# Altium PCB KitKTS.PcbDoc (part 2 of 2)
Units mm, origin at the board's own origin, x right, y up, seen from the top; angles counter-clockwise.
Board outline 448.4 x 281.4 mm, 2 copper layers (Top Layer, Bottom Layer); 437 components, 656 nets, 2888 pads, 4 vias.
Unrouted connection lines stored in the file: 1923.
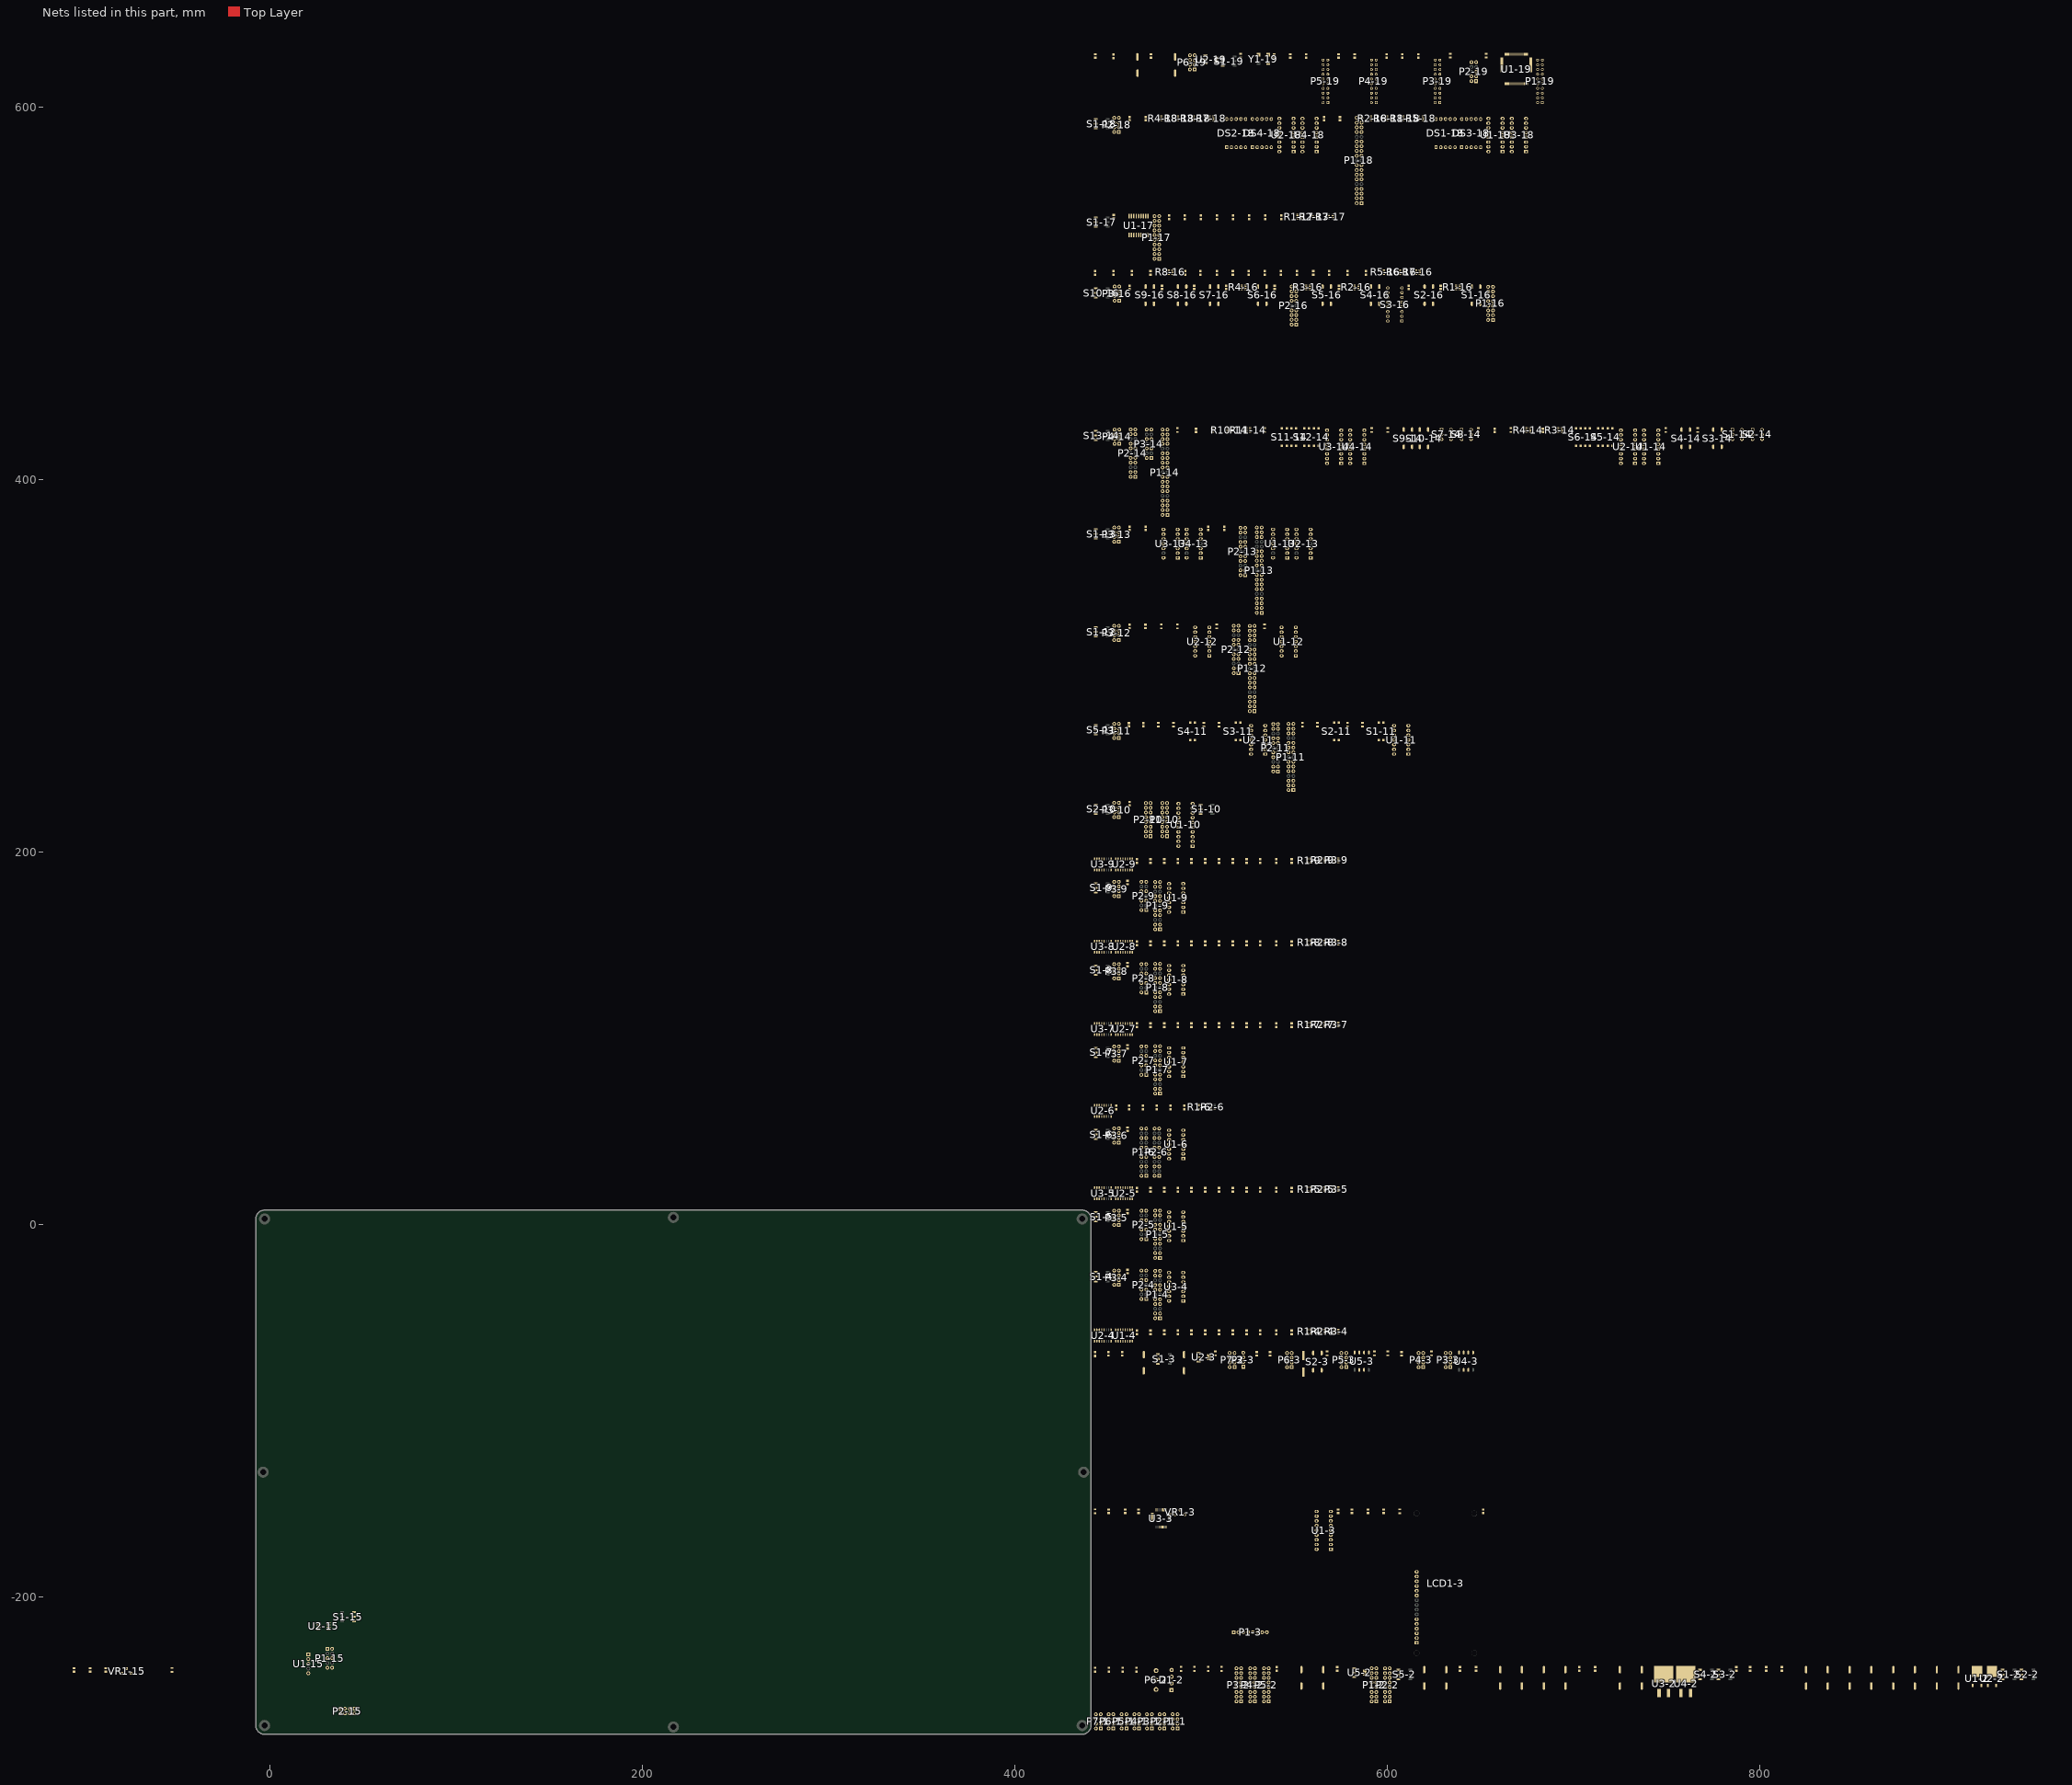
[diagram p2: the nets of this part, all layers, seen from the top]

## Footprints (in the part's own frame and the unit in brackets; to place one, negate y for a bottom-side part, rotate by r counter-clockwise, add the part's x,y. Pads: shape width x height; smd on the part's side, far side on the other; paste and mask are expansions set on the pad) (continued)
XTAL-CSM7 [mm] "XTAL-49S-SMD"
  rect 5x1.2 smd: 1(-4.5,0) 2(4.5,0)
  silkscreen extent -5.9,-2.5 5.9,2.5, body extent -6.4,-2.48 6.4,2.52, height 4.6
XTAL-SMD5070 [mm] "OSC 50MHz 5x7mm"
  rect 2x2 smd: 1(-2.54,-2.2) 2(2.54,-2.2) 3(2.54,2.2) 4(-2.54,2.2)
  silkscreen extent -4.2,-2.5 3.5,2.5, body extent -3.5,-2.5 3.5,2.5, height 1.7

## Part data
C1-2 C2-2 C2-3 C3-2 C4-2 C5-2 C6-2 C7-2 C7-3 C8-2 C10-19 C11-19 C13-2 C14-2 C17-2 C18-2 C19-2 C20-2 C23-2 C24-2 C26-2 C27-2: library part "Cap Pol1", "Polarized Capacitor (Radial)"
  C2-3 C7-3 C10-19 C11-19: LatestRevisionDate=17-Jul-2002, LatestRevisionNote="Re-released for DXP Platform.", PackageReference=RB7.6-15, Published=8-Jun-2000, Publisher="Altium Limited"
C1-3 C4-3 C5-3: library part Cap, "CAP CER 0.1UF 50V Y5V 0805", Capacitance=0.10µF, Manufacturer=Yageo, Manufacturer Part Number=CC0805ZRY5V9BB104, Operating Temperature="-30°C ~ 85°C", Package / Case="0805 (2012 Metric)", Ratings=-, Supplier Part Number 1=311-1361-1-ND, Temperature Coefficient="Y5V (F)", Tolerance="-20%, +80%", Voltage - Rated=50V, Applications="General Purpose", Category=Capacitors, ComponentLink1Description=http://www.yageo.com/documents/recent/UPY-GPHC_Y5V_6.3V-to-50V_6.pdf, ComponentLink1URL=http://www.yageo.com/documents/recent/UPY-GPHC_Y5V_6.3V-to-50V_6.pdf, Features=-, Height - Seated (Max)=-, Lead Spacing=-, Lead Style=-, Mounting Type="Surface Mount, MLCC", Packaging="Cut Tape (CT)", Part Status=Active, Pricing 1="1=0.1, 10=0.033, 25=0.0232, 100=0.0151, 250=0.01232, 500=0.01056, 1000=0.00822 (USD)", RoHS="RoHS Compliant", Size / Dimension="0.079\" L x 0.049\" W (2.00mm x 1.25mm)", Stock 1=348816, Supplier 1=Digi-Key, Thickness (Max)="0.024\" (0.60mm)"
C1-4 C1-5 C1-6 C1-7 C1-8 C1-9 C1-10 C1-11 C1-12 C1-13 C1-14 C1-15 C1-17 C1-18 C1-19 C2-11 C2-12 C2-13 C2-14 C2-15 C2-18 C2-19 C3-13 C3-14 C3-15 C3-18 C3-19 C4-13 C4-14 C4-18 C4-19 C5-19 C6-19 C7-19 C8-19 C9-3 C10-3 C11-3 C13-3 C14-3 C15-3: library part Cap, "Capacitor", LatestRevisionDate=17-Jul-2002, LatestRevisionNote="Re-released for DXP Platform.", PackageReference=RAD-0.3, Published=8-Jun-2000, Publisher="Altium Limited"
  C1-4 C1-5 C1-6 C1-7 C1-8 C1-9 C1-10 C1-11 C1-12 C1-13 C1-14 C1-17 C1-18 C1-19 C2-11 C2-12 C2-13 C2-14 C2-18 C2-19 C3-13 C3-14 C3-18 C3-19 C4-13 C4-14 C4-18 C4-19 C5-19 C6-19 C7-19 C8-19 C9-3 C10-3 C11-3 C13-3 C14-3 C15-3: PackageDescription="Radial Cap, Thru-Hole; 2 Leads; 0.3 in Pin Spacing"
C1-16 C2-16 C3-3 C3-16 C4-16 C5-16 C6-3 C6-16 C7-16 C8-3 C8-16 C9-2 C9-19 C10-2 C11-2 C12-2 C12-3 C12-19 C15-2 C16-2 C21-2 C22-2 C25-2 C28-2: library part Cap, "Capacitor", Manufacturer="Generic Components", Class=Passive, Published=08/06/2000, Publisher="Altium Hobart Technology Centre", SubClass=Capacitor
D1-2: library part Bridge2, "Diode Bridge", LatestRevisionDate=17-Jul-2002, LatestRevisionNote="Re-released for DXP Platform.", PackageReference=D-46_6A, Published=24-Mar-1999
D1-3 D1-19 D2-2 D3-2 D4-2 D5-2: library part LED0, "Typical INFRARED GaAs LED", LatestRevisionDate=08-Jul-2005, LatestRevisionNote="Mech Layer 1 removed.", PackageReference=LED-0, Published=8-Jun-2000, Publisher="Altium Limited"
D1-4 D1-5 D1-6 D1-7 D1-8 D1-9 D1-16 D1-17 D2-4 D2-5 D2-6 D2-7 D2-8 D2-9 D2-16 D2-17 D3-4 D3-5 D3-6 D3-7 D3-8 D3-9 D3-16 D3-17 D4-4 D4-5 D4-6 D4-7 D4-8 D4-9 D4-16 D4-17 D5-4 D5-5 D5-6 D5-7 D5-8 D5-9 D5-16 D5-17 D6-4 D6-5 D6-6 D6-7 D6-8 D6-9 D6-16 D6-17 D7-4 D7-5 D7-7 D7-8 D7-9 D7-16 D7-17 D8-4 D8-5 D8-7 D8-8 D8-9 D8-16 D8-17 D9-4 D9-5 D9-7 D9-8 D9-9 D9-16 D10-4 D10-5 D10-7 D10-8 D10-9 D10-16 D11-4 D11-5 D11-7 D11-8 D11-9 D11-16 D12-4 D12-5 D12-7 D12-8 D12-9 D12-16 D13-16 D14-16 D15-16 D16-16: library part LED2, "Typical RED, GREEN, YELLOW, AMBER GaAs LED", LatestRevisionDate=17-Jul-2002, LatestRevisionNote="Re-released for DXP Platform.", PackageDescription="SM LED; 2 Flat Leads", PackageReference=3.2X1.6X1.1, PackageVersion=Feb-2002, Published=8-Jun-2000, Publisher="Altium Limited"
DS1-18 DS2-18 DS3-18 DS4-18: "14.2 mm General Purpose Blue 7-Segment Display: CA, RH DP, Gray Surface", Colour=Blue, ComponentLink1Description="Manufacturer Link", ComponentLink1URL=http://www.agilent.com/, DatasheetVersion=24-Sep-2002, LatestRevisionDate=17-Dec-2003, LatestRevisionNote="Schematic revised, PCB Footprint replaced.", MinimumIntensity="2020 ucd", Note="IF = 10 mA", PackageDescription="LED, 7-Segment Display, 14.2 mm, RHD; 10 Leads; Row Space 15.24 mm; Pitch 2.54 mm", PackageReference=H, PackageVersion=24-Sep-2002, Published=8-Jun-2000, Publisher="Altium Limited"
LCD1-3: "Liquid Crystal Display"
P1-1 P2-1 P2-15 P2-18 P3-1 P3-3 P3-4 P3-5 P3-6 P3-7 P3-8 P3-9 P3-10 P3-11 P3-12 P3-13 P3-16 P4-1 P4-3 P4-14 P5-1 P5-3 P6-1 P6-3 P6-19 P7-1 P7-3: "Header, 4-Pin, Dual row", LatestRevisionDate=17-Jul-2002, LatestRevisionNote="Re-released for DXP Platform."
  P1-1 P2-1 P3-1 P4-1 P5-1 P6-1 P7-1: Publisher="Altium Limited"
  P2-15 P2-18 P3-3 P3-4 P3-5 P3-6 P3-7 P3-8 P3-9 P3-10 P3-11 P3-12 P3-13 P3-16 P4-3 P4-14 P5-3 P6-3 P6-19 P7-3: Publisher="Power Terminal"
P1-2 P1-10 P1-16 P2-2 P2-10 P3-2 P4-2 P5-2: "Header, 8-Pin, Dual row", LatestRevisionDate=17-Jul-2002, LatestRevisionNote="Re-released for DXP Platform."
P1-3: library part "Header 8", "Header, 8-Pin", LatestRevisionDate=17-Jul-2002, LatestRevisionNote="Re-released for DXP Platform.", Publisher="Altium Limited"
P1-4 P1-5 P1-6 P1-7 P1-8 P1-9 P2-6 P2-11 P2-12 P2-13 P2-14: "Header, 11-Pin, Dual row", LatestRevisionDate=17-Jul-2002, LatestRevisionNote="Re-released for DXP Platform."
P1-11: "Header, 15-Pin, Dual row", LatestRevisionDate=17-Jul-2002, LatestRevisionNote="Re-released for DXP Platform."
P1-12 P1-13 P1-14 P1-18: "Header, 19-Pin, Dual row", LatestRevisionDate=17-Jul-2002, LatestRevisionNote="Re-released for DXP Platform."
P1-15: "Header, 5-Pin, Dual row", LatestRevisionDate=17-Jul-2002, LatestRevisionNote="Re-released for DXP Platform."
P1-17 P1-19 P3-19 P4-19 P5-19: library part "Header 10X2", "Header, 10-Pin, Dual row", LatestRevisionDate=17-Jul-2002, LatestRevisionNote="Re-released for DXP Platform."
P2-3: library part "Header 4", "Header, 4-Pin", LatestRevisionDate=17-Jul-2002, LatestRevisionNote="Re-released for DXP Platform."
P2-4 P2-5 P2-7 P2-8 P2-9: library part "Header 7X2", "Header, 7-Pin, Dual row", LatestRevisionDate=17-Jul-2002, LatestRevisionNote="Re-released for DXP Platform."
P2-16: "Header, 9-Pin, Dual row", LatestRevisionDate=17-Jul-2002, LatestRevisionNote="Re-released for DXP Platform."
P2-19: library part "Header 5X2", "Header, 5-Pin, Dual row", LatestRevisionDate=17-Jul-2002, LatestRevisionNote="Re-released for DXP Platform."
P3-14: "Header, 7-Pin, Dual row", LatestRevisionDate=17-Jul-2002, LatestRevisionNote="Re-released for DXP Platform."
P6-2: library part "Header 3", "Header, 3-Pin", LatestRevisionDate=17-Jul-2002, LatestRevisionNote="Re-released for DXP Platform."
R1-2 R1-11 R1-12 R1-14 R1-15 R1-19 R2-2 R2-3 R2-11 R2-12 R2-14 R2-19 R3-2 R3-3 R3-11 R3-12 R3-19 R4-2 R4-3 R4-11 R4-12 R5-3 R5-11 R5-14 R6-11 R6-14 R7-11 R7-14 R8-11 R8-14 R9-14 R12-14: library part Res1, "Resistor", LatestRevisionDate=17-Jul-2002, LatestRevisionNote="Re-released for DXP Platform.", PackageReference=AXIAL-0.3, Published=8-Jun-2000, Publisher="Altium Limited"
  R1-11 R1-12 R1-14 R2-11 R2-12 R2-14 R3-11 R3-12 R4-11 R4-12 R5-3 R5-11 R5-14 R6-11 R6-14 R7-11 R7-14 R8-11 R8-14 R9-14 R12-14: PackageDescription="Axial Device, Thru-Hole; 2 Leads; 0.3 in Pin Spacing"
R1-3 R6-3 R7-3: "Resistor", LatestRevisionDate=17-Jul-2002, LatestRevisionNote="Re-released for DXP Platform.", PackageReference=AXIAL-0.3, Published=8-Jun-2000, Publisher="Altium Limited"
R1-4 R1-5 R1-6 R1-7 R1-8 R1-9 R2-4 R2-5 R2-6 R2-7 R2-8 R2-9 R3-4 R3-5 R3-7 R3-8 R3-9: library part "Res Array 4", "RES ARRAY 4 RES 330 OHM 1206", Digi-Key Part Number=Y9331TR-ND, Manufacturer="Panasonic Electronic Components", Manufacturer Part Number=EXB-38V331JV, Link=http://www.digikey.com/product-detail/en/EXB-38V331JV/Y9331TR-ND/256525
R1-16 R1-17 R1-18 R2-16 R2-17 R2-18 R3-14 R3-16 R3-17 R3-18 R4-14 R4-16 R4-18 R5-16 R5-18 R6-16 R6-18 R7-16 R7-18 R8-16 R8-18 R10-14 R11-14: library part R-8P4R, "RES ARRAY 4 RES 330 OHM 1206", Digi-Key Part Number=Y9331TR-ND, Manufacturer="Panasonic Electronic Components", Manufacturer Part Number=EXB-38V331JV, Link=http://www.digikey.com/product-detail/en/EXB-38V331JV/Y9331TR-ND/256525
S1-2 S1-3 S1-4 S1-5 S1-6 S1-7 S1-8 S1-9 S1-10 S1-12 S1-13 S1-15 S1-17 S1-18 S1-19 S2-2 S2-10 S3-2 S4-2 S5-2 S5-11 S10-16 S13-14: "SPDT Subminiature Toggle Switch, Right Angle Mounting, Vertical Actuation"
  S1-2 S1-3 S2-2 S3-2 S4-2 S5-2: Link=http://banlinhkien.vn/goods-5937-cong-tac-gat-6-chan-mss22d18-smd.html
  S1-4 S1-5 S1-6 S1-7 S1-8 S1-9 S1-10 S1-12 S1-13 S1-15 S1-17 S1-18 S1-19 S2-10 S5-11 S10-16 S13-14: ComponentLink1Description="Manufacturer Link", ComponentLink1URL=http://www.apem.com, DatasheetVersion=05-Dec-2000, LatestRevisionDate=17-Dec-2003, LatestRevisionNote="Schematic revised, PCB Footprint replaced.", PackageDescription="Switch; 4 Leads", PackageReference=TL36WW15050, Published=24-Mar-1999, Publisher="Altium Limited"
S1-11 S2-11 S3-11 S4-11: "DIP Switch, 2 Position, SPST", LatestRevisionDate=17-Jul-2002, LatestRevisionNote="Re-released for DXP Platform.", PackageReference=DIP-4, Published=24-Mar-1999, Publisher="Altium Limited"
S1-14 S2-14 S7-14 S8-14: "Double-Pole, Double-Throw Switch", LatestRevisionDate=17-Jul-2002, LatestRevisionNote="Re-released for DXP Platform.", PackageReference=DPDT-6, Published=24-Mar-1999, Publisher="Altium Limited"
S1-16 S2-3 S2-16 S3-14 S4-14 S4-16 S5-16 S6-16 S7-16 S8-16 S9-14 S9-16 S10-14: library part SW-PB, "Switch", LatestRevisionDate=17-Jul-2002, LatestRevisionNote="Re-released for DXP Platform.", PackageReference=SPST-2, Published=24-Mar-1999
  S1-16 S2-16 S4-16 S5-16 S6-16 S7-16 S8-16 S9-16: Publisher="Altium Limited"
  S2-3: PackageDescription="Switch; 2 Leads"
S3-16: "DIP Switch, 8 Position, SPST", LatestRevisionDate=17-Jul-2002, LatestRevisionNote="Re-released for DXP Platform.", PackageDescription="DIP Switch; 16 Leads", PackageReference=DIP_SW_8WAY_SMD, Published=24-Mar-1999, Publisher="Altium Limited"
S5-14 S6-14 S11-14 S12-14: "DIP Switch, 4 Position, SPST", Code_IPC=SOIC127P600-8, Code_JEDEC=MS-012-AA, LatestRevisionDate=29-May-2009, LatestRevisionNote="IPC-7351 Footprint Added.", PackageDescription="8-Pin Small Outline Integrated Circuit 1.27 mm Pitch", PackageReference=SO8, PackageVersion=Dec-2002, Published=24-Mar-1999
U1-2 U2-2: library part LM78M05CT, "3-Terminal Positive Voltage Regulators, 3-pin TO-220", Manufacturer="National Semiconductor", PackageTopMarking=NSUZXYTTE#*LM341T-5.0*LM78M05CT, PowerWise=N, ComponentLink1Description="LM78M05 Datasheet", ComponentLink1URL=http://www.national.com/ds/LM/LM78M05.pdf, ComponentLink2Description="LM78M05 Web Page", ComponentLink2URL=http://www.national.com/pf/LM/LM78M05.html, ComponentLink3Description="T03B Package Page", ComponentLink3URL=http://www.national.com/packaging/folders/t03b.html, CompType="LDO IC", DatasheetVersion=Aug-2005, PackageDescription="TO-220, Molded, 3 Lead, Straight", PackageReference=T03B, PackageVersion="revL, Jan-1992", PartNumber=LM78M05CT, PinCount=3, Published=4-Dec-2008, Publisher="Altium Limited", RoHS=N, Supplier 1=Farnell
U1-4 U1-17 U2-4 U2-5 U2-6 U2-7 U2-8 U2-9 U3-5 U3-7 U3-8 U3-9: "High-Voltage, High-Current Darlington Array", ComponentLink1Description="Manufacturer Link", ComponentLink1URL=http://www.allegromicro.com/, Published=13-Oct-2000, Publisher="Altium Limited"
  U1-4 U2-4 U2-5 U2-6 U2-7 U2-8 U2-9 U3-5 U3-7 U3-8 U3-9: Code_JEDEC=MS-001-BB, DatasheetVersion=1998, LatestRevisionDate=06-Jun-2005, LatestRevisionNote="Stylized 3D Model Added.", PackageDescription="DIP; 16 Leads; Row Spacing 7.62 mm; Pitch 2.54 mm", PackageReference=A16, PackageVersion=1998
  U1-17: Code_JEDEC=MS-013-AB, DatasheetVersion=1999, LatestRevisionDate=13-Apr-2006, LatestRevisionNote="IPC-7351 Footprint Added.", PackageDescription="18-Pin Small Outline Integrated Circuit 1.27 mm Pitch", PackageReference=LW18
U1-5: "Quadruple 2-Input Positive-OR Gate", ComponentLink1Description="Manufacturer Link", ComponentLink1URL=http://www.ti.com/, ComponentLink2Description=Datasheet, ComponentLink2URL=http://www-s.ti.com/sc/ds/sn74hc32.pdf, DatasheetVersion=May-1997, LatestRevisionDate=04-Mar-2005, LatestRevisionNote="Stylized 3D Model Added.", PackageDescription="DIP; 14 Leads; Row Spacing 7.62 mm; Pitch 2.54 mm", PackageReference=N014, PackageVersion=Oct-1995, Published=8-Jun-2000, Publisher="Altium Limited"
U1-6: "Hex Inverter", ComponentLink1Description="Manufacturer Link", ComponentLink1URL=http://www.ti.com/, ComponentLink2Description=Datasheet, ComponentLink2URL=http://www-s.ti.com/sc/ds/sn74hc04.pdf, DatasheetVersion=May-1997, LatestRevisionDate=04-Mar-2005, LatestRevisionNote="Stylized 3D Model Added.", PackageDescription="DIP; 14 Leads; Row Spacing 7.62 mm; Pitch 2.54 mm", PackageReference=N014, PackageVersion=Oct-1995, Published=8-Jun-2000, Publisher="Altium Limited"
U1-7: "Quad Exclusive OR Gate, 14-Pin PDIP", ComponentLink1Description="Manufacturer Link", ComponentLink1URL=http://www.fairchildsemi.com/, DatasheetVersion=Jan-1999, IC_Technology=C, LatestRevisionDate=29-May-2009, LatestRevisionNote="Component Body Added.", PackageDescription="DIP, 14-Pin, Row Spacing 7.62 mm, Pitch 2.54 mm", PackageReference=N14A, PackageVersion=2000, Published=17-Jul-2002, Publisher="Altium Limited"
U1-8: "Quadruple 2-Input Positive-NAND Gate", ComponentLink1Description="Manufacturer Link", ComponentLink1URL=http://www.ti.com/, ComponentLink2Description=Datasheet, ComponentLink2URL=http://www-s.ti.com/sc/ds/sn74hc00.pdf, DatasheetVersion=May-1997, LatestRevisionDate=04-Mar-2005, LatestRevisionNote="Stylized 3D Model Added.", PackageDescription="DIP; 14 Leads; Row Spacing 7.62 mm; Pitch 2.54 mm", PackageReference=N014, PackageVersion=Oct-1995, Published=8-Jun-2000, Publisher="Altium Limited"
U1-9: "Quadruple 2-Input Positive-NOR Gate", ComponentLink1Description="Manufacturer Link", ComponentLink1URL=http://www.ti.com/, ComponentLink2Description=Datasheet, ComponentLink2URL=http://www-s.ti.com/sc/ds/sn74hc02.pdf, DatasheetVersion=May-1997, LatestRevisionDate=04-Mar-2005, LatestRevisionNote="Stylized 3D Model Added.", PackageDescription="DIP; 14 Leads; Row Spacing 7.62 mm; Pitch 2.54 mm", PackageReference=N014, PackageVersion=Oct-1995, Published=8-Jun-2000, Publisher="Altium Limited"
U1-10: library part DM74LS245N, "3-State Octal Bus Transceiver", Code_JEDEC=MS-001-AD, ComponentLink1Description="Manufacturer Link", ComponentLink1URL=http://www.fairchildsemi.com/, DatasheetVersion=Mar-1998, LatestRevisionDate=04-Mar-2005, LatestRevisionNote="Stylized 3D Model Added.", PackageDescription="DIP, 20-Pin, Row Spacing 7.62 mm, Pitch 2.54 mm", PackageReference=N20A, PackageVersion=2000, Published=17-Jul-2002, Publisher="Altium Limited"
U1-11 U2-11: "Dual D-Type Flip-Flop", ComponentLink1Description="Manufacturer Link", ComponentLink1URL=http://www.fairchildsemi.com/, DatasheetVersion=Jan-1999, LatestRevisionDate=29-May-2009, LatestRevisionNote="Component Body Added.", PackageDescription="DIP, 14-Pin, Row Spacing 7.62 mm, Pitch 2.54 mm", PackageReference=N14A, PackageVersion=2000, Published=17-Jul-2002, Publisher="Altium Limited"
U1-12 U2-12: "Dual Negative-Edge-Triggered Master-Slave J-K Flip-Flop with Clear and Complementary Output", ComponentLink1Description="Manufacturer Link", ComponentLink1URL=http://www.fairchildsemi.com/, DatasheetVersion=Mar-1998, LatestRevisionDate=29-May-2009, LatestRevisionNote="Component Body Added.", PackageDescription="DIP, 14-Pin, Row Spacing 7.62 mm, Pitch 2.54 mm", PackageReference=N14A, PackageVersion=2000, Published=17-Jul-2002, Publisher="Altium Limited"
U1-13 U2-13 U3-13 U4-13: "Decade and Binary Counter", ComponentLink1Description="Manufacturer Link", ComponentLink1URL=http://www.fairchildsemi.com/, DatasheetVersion=Mar-1998, LatestRevisionDate=29-May-2009, LatestRevisionNote="Component Body Added.", Note="NC pins 4 and 13 are not drawn.", PackageDescription="DIP, 14-Pin, Row Spacing 7.62 mm, Pitch 2.54 mm", PackageReference=N14A, PackageVersion=2000, Published=17-Jul-2002, Publisher="Altium Limited"
U1-14 U2-14 U3-14 U4-14: "Synchronous 4-Bit Up/Down Counter (Dual Clock with Clear)", Code_JEDEC=MS-001-BB, ComponentAvailability=Obsolete, ComponentLink1Description="Manufacturer Link", ComponentLink1URL=http://www.ti.com/, ComponentLink2Description=Datasheet, ComponentLink2URL=http://www-s.ti.com/sc/ds/sn74ls192.pdf, DatasheetVersion=Mar-1988, LatestRevisionDate=04-Mar-2005, LatestRevisionNote="Stylized 3D Model Added.", PackageDescription="DIP; 16 Leads; Row Spacing 7.62 mm; Pitch 2.54 mm", PackageReference=N016D, PackageVersion=Oct-1995, Published=8-Jun-2000, Publisher="Altium Limited"
U1-18 U2-18 U3-18 U4-18: "BCD to 7-Segment Decoder/Driver with Open-Collector Output", ComponentLink1Description="Manufacturer Link", ComponentLink1URL=http://www.fairchildsemi.com/, DatasheetVersion=Mar-1998, LatestRevisionDate=04-Mar-2005, LatestRevisionNote="Stylized 3D Model Added.", PackageDescription="DIP, 16-Pin, Row Spacing 7.62 mm, Pitch 2.54 mm", PackageReference=N16E, PackageVersion=2000, Published=17-Jul-2002, Publisher="Altium Limited"
U1-19: "MAX II 3.3/2.5V CPLD, 80 IOs, 240 Logic Elements, 100-Pin Plastic TQFP, Commercial Temperature, Speed Grade 5, Pb-Free", Supplier Part Number 1=544-1964-ND, Code_JEDEC=MS-026-AED, ComponentLink1Description="Manufacturer Link", ComponentLink1URL=http://www.altera.com/products/devices/cpld/max2/mx2-index.jsp, ComponentLink2Description=Handbook, ComponentLink2URL=http://www.altera.com/literature/hb/max2/max2_mii5v1.pdf, ComponentLink3Description="Packaging Specification", ComponentLink3URL=http://www.altera.com/literature/ds/dspkg.pdf, DatasheetVersion="ver1.8, Jul-2006", LatestRevisionDate=13-Apr-2006, LatestRevisionNote="IPC-7351 Footprint Added.", Note="Each set of VCCIO pins can be connected to 3.3V, 2.5V, 1.8V, or 1.5V.", PackageDescription="100-Pin Plastic Thin Quad Flat Pack (TQFP100) - Wire Bond", PackageReference=TQFP100, PackageVersion="ver15.1, May-2008", Published=4-Mar-2005, Publisher="Altium Limited", Supplier 1=Digi-Key, Supplier 2=Farnell, Supplier 3=Farnell, Supplier Part Number 2=1662268, Supplier Part Number 3=1453503
U2-3 U2-19 U5-2: library part LM1117IDTX-3.3, "800mA Low-Dropout Linear Regulator, 3-pin TO-252", Manufacturer="National Semiconductor", PackageTopMarking=NSUZXYTT*LM1117*IDT-3.3, PowerWise=N, Code_JEDEC=TO-252-AA, ComponentLink1Description="LM1117 Datasheet", ComponentLink1URL=http://www.national.com/ds/LM/LM1117.pdf, ComponentLink2Description="LM1117 Web Page", ComponentLink2URL=http://www.national.com/pf/LM/LM1117.html, ComponentLink3Description="TD03B Package Page", ComponentLink3URL=http://www.national.com/packaging/folders/td03b.html, CompType="LDO IC", DatasheetVersion=Apr-2006, PackageDescription="TO252, Molded, Jedec, 6.8 x 6.10 x 2.30mm Body, 3 Lead, 2.28mm Pitch, Surface Mount", PackageReference=TD03B, PackageVersion="revD, Feb-2009", PartNumber=LM1117IDTX-3.3, PinCount=3, Published=1-Mar-2010, Publisher="Altium Limited"
U2-15: "General-Purpose Single Bipolar Timer", Code_IPC=SOIC127P600-8, Code_JEDEC=MS-012-AA, ComponentLink1Description="Manufacturer Link", ComponentLink1URL=http://www.st.com/, ComponentLink2Description=Datasheet, ComponentLink2URL=http://www.st.com/stonline/products/literature/ds/2182/ne555.pdf, DatasheetVersion=Jul-1998, LatestRevisionDate=13-Apr-2006, LatestRevisionNote="IPC-7351 Footprint Added.", PackageDescription="8-Pin Small Outline Integrated Circuit 1.27 mm Pitch", PackageReference=SO8, PackageVersion=Dec-2002, Published=24-Aug-2001, Publisher="Altium Limited"
U3-2 U4-2: library part LM79M12CT, "3-Terminal Negative Regulators, 3-pin TO-220", Manufacturer="National Semiconductor", PackageTopMarking=NSUZXYTTE#*LM79M*12CT, PowerWise=N, ComponentLink1Description="LM79M12 Datasheet", ComponentLink1URL=http://www.national.com/ds/LM/LM79M12.pdf, ComponentLink2Description="LM79M12 Web Page", ComponentLink2URL=http://www.national.com/pf/LM/LM79M12.html, ComponentLink3Description="T03B Package Page", ComponentLink3URL=http://www.national.com/packaging/folders/t03b.html, CompType="LDO IC", DatasheetVersion=Sep-2001, PackageDescription="TO-220, Molded, 3 Lead, Straight", PackageReference=T03B, PackageVersion="revL, Jan-1992", PartNumber=LM79M12CT, PinCount=3, Published=4-Dec-2008, Publisher="Altium Limited", RoHS=N, Supplier 1=Farnell
U3-3: "STM32 ARM-based 32-bit MCU with 64 Kbytes Flash, 48-pin LQFP, Industrial Temperature", ComponentLink1Description="Manufacturer Link", ComponentLink1URL=www.st.com/stm32, ComponentLink2Description=Datasheet, ComponentLink2URL=http://www.st.com/stonline/products/literature/ds/13587.pdf, DatasheetVersion="rev6, Mar-2008", PackageDescription="48-Pin Low-Profile Quad Flat Pack, 7 x 7 mm Body, 0.5 mm Pitch (LQFP48)", PackageReference=LQFP48, PackageVersion=Mar-2008, Published=30-May-2008, Publisher="Altium Limited"
U3-4: "Quad 2-Input AND Gate", ComponentLink1Description="Manufacturer Link", ComponentLink1URL=http://www.onsemi.com/site/products/parametrics/0,4446,247,00.html, ComponentLink2Description="Ibis Model", ComponentLink2URL=http://www.onsemi.com/pub/Collateral/MC54HC08AJ.IBS, DatasheetVersion=1989, LatestRevisionDate=06-Jun-2005, LatestRevisionNote="Stylized 3D Model Added", PackageDescription="DIP; 14 Leads; Row Spacing 7.62 mm; Pitch 2.54 mm", PackageReference=646-06, PackageVersion=1997, Published=17-Jul-2002, Publisher="Altium Limited"
U4-3 U5-3: "High Speed 10MBit/s Logic Gata Optocouplers"
VR1-3 VR1-15: library part RPot, "Potentiometer", LatestRevisionDate=17-Jul-2002, LatestRevisionNote="Re-released for DXP Platform.", PackageReference=VR5, Published=8-Jun-2000, Publisher="Altium Limited", Set Position=0.5, Sim Note="Enter the Resistance value and the set point into parameter fields."
  VR1-3: PackageDescription="Variable Resistor, Thru-Hole; 3 Leads"
Y1-3: library part XTAL, "Crystal Oscillator", LatestRevisionDate=17-Jul-2002, LatestRevisionNote="Re-released for DXP Platform.", PackageDescription="Crystal, Thru-Hole; 2 Leads; Body 3.1 x 8.2 mm (Dia.xH)", PackageReference=R38, Published=8-Jun-2000
Y1-19: library part OSC, "XTAL 50MHz, 4pin"

## Free pads (board coordinates)
  round 6 hole 3.2: H(-3.8,-133) H(-3,-269) H(-3,3) H(216.5,-269.8) H(216.5,3.8) H(436,-269) H(436,3) H(436.8,-133)

## Via types
v1: diameter 3, hole 2.5, Top Layer to Bottom Layer, 4 vias

## Nets (pads, with @x,y where several pads share a name; then routed paths per layer and width w, separated by ;. In a path a pad name is that pad's centre, name@x,y a point inside that pad or via, vN(x,y) a via of type N, cw(c..) or ccw(c..) an arc to the next point about the centre after c; other vN are vias at no path point)
3V3_SQW_CH0: P3-3.1 P3-3.2 P3-3.3 P3-3.4 P3-3.5 P3-3.6 P3-3.7 P3-3.8 U3-3.12 U4-3.3
3V3_SQW_CH1: P4-3.1 P4-3.2 P4-3.3 P4-3.4 P4-3.5 P4-3.6 P4-3.7 P4-3.8 U3-3.16 U5-3.3
5V_SQW_CH0: P5-3.1 P5-3.2 P5-3.3 P5-3.4 P5-3.5 P5-3.6 P5-3.7 P5-3.8 R6-3.2 U4-3.6
5V_SQW_CH1: P6-3.1 P6-3.2 P6-3.3 P6-3.4 P6-3.5 P6-3.6 P6-3.7 P6-3.8 R7-3.2 U5-3.6
+3V3: C27-2.1 C28-2.2 P6-1.1 P6-1.2 P6-1.3 P6-1.4 P6-1.5 P6-1.6 P6-1.7 P6-1.8 S10-16.2 S10-16.3 U5-2.2
+5V: C7-2.1 C8-2.1 C12-2.2 P3-2.1 P3-2.2 P3-2.3 P3-2.4 P3-2.5 P3-2.6 P3-2.7 P3-2.8 P3-2.9 P3-2.10 P3-2.11 P3-2.12 P3-2.13 P3-2.14 P3-2.15 P3-2.16 P4-1.1 P4-1.2 P4-1.3 P4-1.4 P4-1.5 P4-1.6 P4-1.7 P4-1.8 R2-2.1 S1-3.2 S1-3.3 S1-4.2 S1-4.3 S1-5.2 S1-5.3 S1-6.2 S1-6.3 S1-7.2 S1-7.3 S1-8.2 S1-8.3 S1-9.2 S1-9.3 S1-12.2 S1-12.3 S1-13.2 S1-13.3 S1-15.2 S1-15.3 S1-17.2 S1-17.3 S1-18.2 S1-18.3 S1-19.2 S1-19.3 S2-10.2 S2-10.3 S5-2.2 S5-2.3 S5-11.2 S5-11.3 S13-14.2 S13-14.3 U2-2.3
+12V: C3-2.1 C4-2.1 C10-2.2 P1-2.1 P1-2.2 P1-2.3 P1-2.4 P1-2.5 P1-2.6 P1-2.7 P1-2.8 P1-2.9 P1-2.10 P1-2.11 P1-2.12 P1-2.13 P1-2.14 P1-2.15 P1-2.16 P2-1.1 P2-1.2 P2-1.3 P2-1.4 P2-1.5 P2-1.6 P2-1.7 P2-1.8 R1-2.1 U1-2.3
-5V: C22-2.2 C23-2.2 C24-2.2 P3-1.1 P3-1.2 P3-1.3 P3-1.4 P3-1.5 P3-1.6 P3-1.7 P3-1.8 P4-2.1 P4-2.2 P4-2.3 P4-2.4 P4-2.5 P4-2.6 P4-2.7 P4-2.8 P4-2.9 P4-2.10 P4-2.11 P4-2.12 P4-2.13 P4-2.14 P4-2.15 P4-2.16 R4-2.1 U4-2.3
-12V: C16-2.2 C17-2.2 C18-2.2 P1-1.1 P1-1.2 P1-1.3 P1-1.4 P1-1.5 P1-1.6 P1-1.7 P1-1.8 P2-2.1 P2-2.2 P2-2.3 P2-2.4 P2-2.5 P2-2.6 P2-2.7 P2-2.8 P2-2.9 P2-2.10 P2-2.11 P2-2.12 P2-2.13 P2-2.14 P2-2.15 P2-2.16 R3-2.1 U3-2.3
A0: P2-10.1 P2-10.2 U1-10.2
A1: P2-10.3 P2-10.4 U1-10.3
A2: P2-10.5 P2-10.6 U1-10.4
A3: P2-10.7 P2-10.8 U1-10.5
A4: P2-10.9 P2-10.10 U1-10.6
A5: P2-10.11 P2-10.12 U1-10.7
A6: P2-10.13 P2-10.14 U1-10.8
A7: P2-10.15 P2-10.16 U1-10.9
AND1: D1-4.2 U1-4.16
AND2: D2-4.2 U1-4.15
AND3: D3-4.2 U1-4.14
AND4: D4-4.2 U1-4.13
AND5: D5-4.2 U1-4.12
AND6: D6-4.2 U1-4.11
AND7: D7-4.2 U1-4.10
AND8: D8-4.2 U2-4.16
AND9: D9-4.2 U2-4.15
AND10: D10-4.2 U2-4.14
AND11: D11-4.2 U2-4.13
AND12: D12-4.2 U2-4.12
ANDI1A: P1-4.1 P1-4.2 U1-4.1 U3-4.1
ANDI1B: P1-4.3 P1-4.4 U1-4.2 U3-4.2
ANDI2A: P1-4.7 P1-4.8 U1-4.3 U3-4.4
ANDI2B: P1-4.9 P1-4.10 U1-4.4 U3-4.5
ANDI3A: P1-4.13 P1-4.14 U1-4.5 U3-4.9
ANDI3B: P1-4.15 P1-4.16 U1-4.6 U3-4.10
ANDI4A: P1-4.19 P1-4.20 U1-4.7 U3-4.12
ANDI4B: P1-4.21 P1-4.22 U2-4.1 U3-4.13
ANDY1: P2-4.1 P2-4.2 U2-4.2 U3-4.3
ANDY2: P2-4.5 P2-4.6 U2-4.3 U3-4.6
ANDY3: P2-4.9 P2-4.10 U2-4.4 U3-4.8
ANDY4: P2-4.13 P2-4.14 U2-4.5 U3-4.11
B0: P1-10.1 P1-10.2 U1-10.18
B1: P1-10.3 P1-10.4 U1-10.17
B2: P1-10.5 P1-10.6 U1-10.16
B3: P1-10.7 P1-10.8 U1-10.15
B4: P1-10.9 P1-10.10 U1-10.14
B5: P1-10.11 P1-10.12 U1-10.12
B6: P1-10.13 P1-10.14 U1-10.13
B7: P1-10.15 P1-10.16 U1-10.11
BIT0: P1-16.1 P1-16.2 R1-16.5 R5-16.2 S3-16.16
BIT1: P1-16.3 P1-16.4 R2-16.1 R5-16.4 S3-16.15
BIT2: P1-16.5 P1-16.6 R2-16.3 R5-16.6 S3-16.14
BIT3: P1-16.7 P1-16.8 R2-16.5 R5-16.8 S3-16.13
BIT4: P1-16.9 P1-16.10 R2-16.7 R6-16.2 S3-16.12
BIT5: P1-16.11 P1-16.12 R3-16.3 R6-16.4 S3-16.11
BIT6: P1-16.13 P1-16.14 R3-16.5 R6-16.6 S3-16.10
BIT7: P1-16.15 P1-16.16 R3-16.7 R6-16.8 S3-16.9
COL1: P1-3.5 U1-3.11
COL2: P1-3.6 U1-3.10
COL3: P1-3.7 U1-3.8
COL4: P1-3.8 U1-3.7
D0: P1-11.1 P1-11.2 U1-11.5
D1: P1-11.9 P1-11.10 U1-11.9
D2: P1-11.17 P1-11.18 U2-11.5
D3: P1-11.25 P1-11.26 U2-11.9
DCLK0: P1-11.3 P1-11.4 U1-11.3
DCLK1: P1-11.11 P1-11.12 U1-11.11
DCLK2: P1-11.19 P1-11.20 U2-11.3
DCLK3: P1-11.27 P1-11.28 U2-11.11
DEV-CLRn: P5-19.20 U1-19.44
DEV_OE: P5-19.19 U1-19.43
DnQ0: P2-11.3 P2-11.4 U1-11.2
DnQ1: P2-11.9 P2-11.10 U1-11.12
DnQ2: P2-11.15 P2-11.16 U2-11.2
DnQ3: P2-11.21 P2-11.22 U2-11.12
DQ0: P2-11.1 P2-11.2 U1-11.1
DQ1: P2-11.7 P2-11.8 U1-11.13
DQ2: P2-11.13 P2-11.14 U2-11.1
DQ3: P2-11.19 P2-11.20 U2-11.13
DRST0: P1-11.5 P1-11.6 R1-11.2 S1-11.3 U1-11.4
DRST1: P1-11.13 P1-11.14 R3-11.2 S2-11.3 U1-11.10
DRST2: P1-11.21 P1-11.22 R5-11.2 S3-11.3 U2-11.4
DRST3: P1-11.29 P1-11.30 R7-11.2 S4-11.3 U2-11.10
DSET0: R2-11.2 S1-11.4 U1-11.6
DSET1: R4-11.2 S2-11.4 U1-11.8
DSET2: R6-11.2 S3-11.4 U2-11.6
DSET3: R8-11.2 S4-11.4 U2-11.8
ECHO: P1-15.5 P1-15.6 U1-15.2
F1: U1-3.17 U3-3.28
F2: U1-3.16 U3-3.27
F3: U1-3.15 U3-3.26
F4: U1-3.14 U3-3.25
GCLK0: P5-19.15 U1-19.12
GCLK1: P5-19.16 U1-19.14 Y1-19.3
GCLK2: P5-19.17 U1-19.62
GCLK3: P5-19.18 U1-19.64
GND: C1-2.2 C1-3.2 C1-4.2 C1-5.2 C1-6.2 C1-7.2 C1-8.2 C1-9.2 C1-10.2 C1-11.2 C1-12.2 C1-13.2 C1-14.2 C1-15.1 C1-16.1 C1-17.2 C1-18.2 C1-19.2 C2-2.2 C2-3.2 C2-11.2 C2-12.2 C2-13.2 C2-14.2 C2-15.1 C2-16.1 C2-18.2 C2-19.2 C3-2.2 C3-3.1 C3-13.2 C3-14.2 C3-15.1 C3-16.1 C3-18.2 C3-19.2 C4-2.2 C4-3.2 C4-13.2 C4-14.2 C4-16.1 C4-18.2 C4-19.2 C5-2.2 C5-3.2 C5-16.1 C5-19.2 C6-2.2 C6-3.1 C6-16.1 C6-19.2 C7-2.2 C7-3.2 C7-16.1 C7-19.2 C8-2.2 C8-3.1 C8-16.1 C8-19.2 C9-2.1 C9-3.1 C9-19.1 C10-2.1 C10-3.1 C10-19.2 C11-2.1 C11-3.1 C11-19.2 C12-2.1 C12-3.1 C12-19.1 C13-2.1 C13-3.1 C14-2.1 C14-3.1 C15-2.1 C15-3.1 C16-2.1 C17-2.1 C18-2.1 C19-2.1 C20-2.1 C21-2.1 C22-2.1 C23-2.1 C24-2.1 C25-2.1 C26-2.2 C27-2.2 C28-2.1 D1-3.2 D1-16.2 D1-19.2 D2-2.1 D2-16.2 D3-2.1 D3-16.2 D4-2.2 D4-16.2 D5-2.2 D5-16.2 D6-16.2 D7-16.2 D8-16.2 D9-16.2 D10-16.2 D11-16.2 D12-16.2 LCD1-3.1 LCD1-3.16 P1-17.19 P1-17.20 P2-3.2 P2-15.5 P2-15.6 P2-15.7 P2-15.8 P2-18.5 P2-18.6 P2-18.7 P2-18.8 P2-19.2 P2-19.10 P3-4.5 P3-4.6 P3-4.7 P3-4.8 P3-5.5 P3-5.6 P3-5.7 P3-5.8 P3-6.5 P3-6.6 P3-6.7 P3-6.8 P3-7.5 P3-7.6 P3-7.7 P3-7.8 P3-8.5 P3-8.6 P3-8.7 P3-8.8 P3-9.5 P3-9.6 P3-9.7 P3-9.8 P3-10.5 P3-10.6 P3-10.7 P3-10.8 P3-11.5 P3-11.6 P3-11.7 P3-11.8 P3-12.5 P3-12.6 P3-12.7 P3-12.8 P3-13.5 P3-13.6 P3-13.7 P3-13.8 P3-16.5 P3-16.6 P3-16.7 P3-16.8 P4-14.5 P4-14.6 P4-14.7 P4-14.8 P5-1.1 P5-1.2 P5-1.3 P5-1.4 P5-1.5 P5-1.6 P5-1.7 P5-1.8 P5-2.1 P5-2.2 P5-2.3 P5-2.4 P5-2.5 P5-2.6 P5-2.7 P5-2.8 P5-2.9 P5-2.10 P5-2.11 P5-2.12 P5-2.13 P5-2.14 P5-2.15 P5-2.16 P6-2.2 P6-19.5 P6-19.6 P6-19.7 P6-19.8 P7-1.1 P7-1.2 P7-1.3 P7-1.4 P7-1.5 P7-1.6 P7-1.7 P7-1.8 P7-3.5 P7-3.6 P7-3.7 P7-3.8 R1-11.1 R1-16.2 R1-16.4 R1-16.6 R1-16.8 R2-11.1 R2-16.2 R2-16.4 R2-16.6 R2-16.8 R2-19.2 R3-11.1 R3-14.1 R3-14.3 R3-14.5 R3-14.7 R3-16.2 R3-16.4 R3-16.6 R3-16.8 R4-11.1 R4-14.1 R4-14.3 R4-14.5 R4-14.7 R5-11.1 R5-14.1 R6-11.1 R6-14.1 R7-11.1 R8-11.1 R9-14.1 R10-14.1 R10-14.3 R10-14.5 R10-14.7 R11-14.1 R11-14.3 R11-14.5 R11-14.7 R12-14.1 S1-10.1 S2-3.1 S3-14.1 S4-14.1 S6-16.2 S7-16.2 S8-16.2 S9-14.1 S9-16.2 S10-14.1 U1-2.2 U1-3.9 U1-3.13 U1-4.8 U1-5.7 U1-6.7 U1-7.7 U1-8.7 U1-9.7 U1-10.10 U1-10.19 U1-11.7 U1-12.11 U1-13.6 U1-13.7 U1-13.10 U1-14.8 U1-15.5 U1-17.9 U1-18.8 U1-19.10 U1-19.11 U1-19.32 U1-19.46 U1-19.60 U1-19.65 U1-19.79 U1-19.93 U2-2.2 U2-3.1 U2-4.8 U2-5.8 U2-6.8 U2-7.8 U2-8.8 U2-9.8 U2-11.7 U2-12.11 U2-13.6 U2-13.7 U2-13.10 U2-14.8 U2-15.1 U2-18.8 U2-19.1 U3-2.1 U3-3.8 U3-3.20 U3-3.23 U3-3.35 U3-3.44 U3-3.47 U3-4.7 U3-5.8 U3-7.8 U3-8.8 U3-9.8 U3-13.6 U3-13.7 U3-13.10 U3-14.8 U3-18.8 U4-2.1 U4-3.5 U4-13.6 U4-13.7 U4-13.10 U4-14.8 U4-18.8 U5-2.1 U5-3.5 VR1-3.1 Y1-19.2
IO0: P1-19.1 U1-19.2
IO1: P1-19.2 U1-19.3
IO2: P1-19.3 U1-19.4
IO3: P1-19.4 U1-19.5
IO4: P1-19.5 U1-19.6
IO5: P1-19.6 U1-19.7
IO6: P1-19.7 U1-19.8
IO7: P1-19.8 U1-19.15
IO8: P1-19.9 U1-19.16
IO9: P1-19.10 U1-19.17
IO10: P1-19.11 U1-19.18
IO11: P1-19.12 U1-19.19
IO12: P1-19.13 U1-19.20
IO13: P1-19.14 U1-19.21
IO14: P1-19.15 U1-19.26
IO15: P1-19.16 U1-19.27
IO16: P1-19.17 U1-19.28
IO17: P1-19.18 U1-19.29
IO18: P1-19.19 U1-19.30
IO19: P1-19.20 U1-19.33
IO20: P3-19.1 U1-19.34
IO21: P3-19.2 U1-19.35
IO22: P3-19.3 U1-19.36
IO23: P3-19.4 U1-19.37
IO24: P3-19.5 U1-19.38
IO25: P3-19.6 U1-19.39
IO26: P3-19.7 U1-19.40
IO27: P3-19.8 U1-19.41
IO28: P3-19.9 U1-19.42
IO29: P3-19.10 U1-19.47
IO30: P3-19.11 U1-19.48
IO31: P3-19.12 U1-19.49
IO32: P3-19.13 U1-19.50
IO33: P3-19.14 U1-19.51
IO34: P3-19.15 U1-19.52
IO35: P3-19.16 U1-19.53
IO36: P3-19.17 U1-19.54
IO37: P3-19.18 U1-19.55
IO38: P3-19.19 U1-19.56
IO39: P3-19.20 U1-19.57
IO40: P4-19.1 U1-19.58
IO41: P4-19.2 U1-19.61
IO42: P4-19.3 U1-19.66
IO43: P4-19.4 U1-19.67
IO44: P4-19.5 U1-19.68
IO45: P4-19.6 U1-19.69
IO46: P4-19.7 U1-19.70
IO47: P4-19.8 U1-19.71
IO48: P4-19.9 U1-19.72
IO49: P4-19.10 U1-19.73
IO50: P4-19.11 U1-19.74
IO51: P4-19.12 U1-19.75
IO52: P4-19.13 U1-19.76
IO53: P4-19.14 U1-19.77
IO54: P4-19.15 U1-19.78
IO55: P4-19.16 U1-19.81
IO56: P4-19.17 U1-19.82
IO57: P4-19.18 U1-19.83
IO58: P4-19.19 U1-19.84
IO59: P4-19.20 U1-19.85
IO60: P5-19.1 U1-19.86
IO61: P5-19.2 U1-19.87
IO62: P5-19.3 U1-19.88
IO63: P5-19.4 U1-19.89
IO64: P5-19.5 U1-19.90
IO65: P5-19.6 U1-19.91
IO66: P5-19.7 U1-19.92
IO67: P5-19.8 U1-19.95
IO68: P5-19.9 U1-19.96